# KiCad board oibus-mini-CCC_PANEL.kicad_pcb (continued)
## Placement (name value [footprint] x y rotation side) (continued)
R3#23  1k  [R_0603_1608Metric]  83.25 141.51 270 top
R3#24  1k  [R_0603_1608Metric]  9.25 207.51 270 top
R3#25  1k  [R_0603_1608Metric]  268.25 141.51 270 top
R3#26  1k  [R_0603_1608Metric]  231.25 141.51 270 top
R3#27  1k  [R_0603_1608Metric]  194.25 207.51 270 top
R3#28  1k  [R_0603_1608Metric]  157.25 207.51 270 top
R3#29  1k  [R_0603_1608Metric]  120.25 207.51 270 top
R3#30  1k  [R_0603_1608Metric]  83.25 207.51 270 top
R3#31  1k  [R_0603_1608Metric]  268.25 207.51 270 top
R3#32  1k  [R_0603_1608Metric]  231.25 207.51 270 top
R4  976k  [R_0603_1608Metric]  12.8 18.16 90 top
R4#2  976k  [R_0603_1608Metric]  49.8 18.16 90 top
R4#3  976k  [R_0603_1608Metric]  86.8 18.16 90 top
R4#4  976k  [R_0603_1608Metric]  123.8 18.16 90 top
R4#5  976k  [R_0603_1608Metric]  197.8 18.16 90 top
R4#6  976k  [R_0603_1608Metric]  160.8 18.16 90 top
R4#7  976k  [R_0603_1608Metric]  271.8 18.16 90 top
R4#8  976k  [R_0603_1608Metric]  234.8 18.16 90 top
R4#9  976k  [R_0603_1608Metric]  12.8 84.16 90 top
R4#10  976k  [R_0603_1608Metric]  123.8 84.16 90 top
R4#11  976k  [R_0603_1608Metric]  86.8 84.16 90 top
R4#12  976k  [R_0603_1608Metric]  49.8 84.16 90 top
R4#13  976k  [R_0603_1608Metric]  197.8 84.16 90 top
R4#14  976k  [R_0603_1608Metric]  160.8 84.16 90 top
R4#15  976k  [R_0603_1608Metric]  271.8 84.16 90 top
R4#16  976k  [R_0603_1608Metric]  234.8 84.16 90 top
R4#17  976k  [R_0603_1608Metric]  12.8 150.16 90 top
R4#18  976k  [R_0603_1608Metric]  123.8 150.16 90 top
R4#19  976k  [R_0603_1608Metric]  86.8 150.16 90 top
R4#20  976k  [R_0603_1608Metric]  49.8 150.16 90 top
R4#21  976k  [R_0603_1608Metric]  197.8 150.16 90 top
R4#22  976k  [R_0603_1608Metric]  160.8 150.16 90 top
R4#23  976k  [R_0603_1608Metric]  12.8 216.16 90 top
R4#24  976k  [R_0603_1608Metric]  271.8 150.16 90 top
R4#25  976k  [R_0603_1608Metric]  234.8 150.16 90 top
R4#26  976k  [R_0603_1608Metric]  123.8 216.16 90 top
R4#27  976k  [R_0603_1608Metric]  86.8 216.16 90 top
R4#28  976k  [R_0603_1608Metric]  49.8 216.16 90 top
R4#29  976k  [R_0603_1608Metric]  197.8 216.16 90 top
R4#30  976k  [R_0603_1608Metric]  160.8 216.16 90 top
R4#31  976k  [R_0603_1608Metric]  271.8 216.16 90 top
R4#32  976k  [R_0603_1608Metric]  234.8 216.16 90 top
R5  309k  [R_0603_1608Metric]  12.8 21.66 90 top
R5#2  309k  [R_0603_1608Metric]  49.8 21.66 90 top
R5#3  309k  [R_0603_1608Metric]  86.8 21.66 90 top
R5#4  309k  [R_0603_1608Metric]  123.8 21.66 90 top
R5#5  309k  [R_0603_1608Metric]  197.8 21.66 90 top
R5#6  309k  [R_0603_1608Metric]  160.8 21.66 90 top
R5#7  309k  [R_0603_1608Metric]  271.8 21.66 90 top
R5#8  309k  [R_0603_1608Metric]  234.8 21.66 90 top
R5#9  309k  [R_0603_1608Metric]  12.8 87.66 90 top
R5#10  309k  [R_0603_1608Metric]  123.8 87.66 90 top
R5#11  309k  [R_0603_1608Metric]  86.8 87.66 90 top
R5#12  309k  [R_0603_1608Metric]  49.8 87.66 90 top
R5#13  309k  [R_0603_1608Metric]  197.8 87.66 90 top
R5#14  309k  [R_0603_1608Metric]  160.8 87.66 90 top
R5#15  309k  [R_0603_1608Metric]  271.8 87.66 90 top
R5#16  309k  [R_0603_1608Metric]  234.8 87.66 90 top
R5#17  309k  [R_0603_1608Metric]  12.8 153.66 90 top
R5#18  309k  [R_0603_1608Metric]  123.8 153.66 90 top
R5#19  309k  [R_0603_1608Metric]  86.8 153.66 90 top
R5#20  309k  [R_0603_1608Metric]  49.8 153.66 90 top
R5#21  309k  [R_0603_1608Metric]  197.8 153.66 90 top
R5#22  309k  [R_0603_1608Metric]  160.8 153.66 90 top
R5#23  309k  [R_0603_1608Metric]  12.8 219.66 90 top
R5#24  309k  [R_0603_1608Metric]  271.8 153.66 90 top
R5#25  309k  [R_0603_1608Metric]  234.8 153.66 90 top
R5#26  309k  [R_0603_1608Metric]  123.8 219.66 90 top
R5#27  309k  [R_0603_1608Metric]  86.8 219.66 90 top
R5#28  309k  [R_0603_1608Metric]  49.8 219.66 90 top
R5#29  309k  [R_0603_1608Metric]  197.8 219.66 90 top
R5#30  309k  [R_0603_1608Metric]  160.8 219.66 90 top
R5#31  309k  [R_0603_1608Metric]  271.8 219.66 90 top
R5#32  309k  [R_0603_1608Metric]  234.8 219.66 90 top
R6  309k  [R_0603_1608Metric]  23 6.76 270 top
R6#2  309k  [R_0603_1608Metric]  60 6.76 270 top
R6#3  309k  [R_0603_1608Metric]  97 6.76 270 top
R6#4  309k  [R_0603_1608Metric]  134 6.76 270 top
R6#5  309k  [R_0603_1608Metric]  208 6.76 270 top
R6#6  309k  [R_0603_1608Metric]  171 6.76 270 top
R6#7  309k  [R_0603_1608Metric]  282 6.76 270 top
R6#8  309k  [R_0603_1608Metric]  245 6.76 270 top
R6#9  309k  [R_0603_1608Metric]  23 72.76 270 top
R6#10  309k  [R_0603_1608Metric]  134 72.76 270 top
R6#11  309k  [R_0603_1608Metric]  97 72.76 270 top
R6#12  309k  [R_0603_1608Metric]  60 72.76 270 top
R6#13  309k  [R_0603_1608Metric]  208 72.76 270 top
R6#14  309k  [R_0603_1608Metric]  171 72.76 270 top
R6#15  309k  [R_0603_1608Metric]  282 72.76 270 top
R6#16  309k  [R_0603_1608Metric]  245 72.76 270 top
R6#17  309k  [R_0603_1608Metric]  23 138.76 270 top
R6#18  309k  [R_0603_1608Metric]  134 138.76 270 top
R6#19  309k  [R_0603_1608Metric]  97 138.76 270 top
R6#20  309k  [R_0603_1608Metric]  60 138.76 270 top
R6#21  309k  [R_0603_1608Metric]  208 138.76 270 top
R6#22  309k  [R_0603_1608Metric]  171 138.76 270 top
R6#23  309k  [R_0603_1608Metric]  23 204.76 270 top
R6#24  309k  [R_0603_1608Metric]  282 138.76 270 top
R6#25  309k  [R_0603_1608Metric]  245 138.76 270 top
R6#26  309k  [R_0603_1608Metric]  134 204.76 270 top
R6#27  309k  [R_0603_1608Metric]  97 204.76 270 top
R6#28  309k  [R_0603_1608Metric]  60 204.76 270 top
R6#29  309k  [R_0603_1608Metric]  208 204.76 270 top
R6#30  309k  [R_0603_1608Metric]  171 204.76 270 top
R6#31  309k  [R_0603_1608Metric]  282 204.76 270 top
R6#32  309k  [R_0603_1608Metric]  245 204.76 270 top
R7  976k  [R_0603_1608Metric]  21.75 2.26 180 top
R7#2  976k  [R_0603_1608Metric]  58.75 2.26 180 top
R7#3  976k  [R_0603_1608Metric]  95.75 2.26 180 top
R7#4  976k  [R_0603_1608Metric]  132.75 2.26 180 top
R7#5  976k  [R_0603_1608Metric]  169.75 2.26 180 top
R7#6  976k  [R_0603_1608Metric]  206.75 2.26 180 top
R7#7  976k  [R_0603_1608Metric]  280.75 2.26 180 top
R7#8  976k  [R_0603_1608Metric]  243.75 2.26 180 top
R7#9  976k  [R_0603_1608Metric]  21.75 68.26 180 top
R7#10  976k  [R_0603_1608Metric]  206.75 68.26 180 top
R7#11  976k  [R_0603_1608Metric]  95.75 68.26 180 top
R7#12  976k  [R_0603_1608Metric]  132.75 68.26 180 top
R7#13  976k  [R_0603_1608Metric]  58.75 68.26 180 top
R7#14  976k  [R_0603_1608Metric]  169.75 68.26 180 top
R7#15  976k  [R_0603_1608Metric]  280.75 68.26 180 top
R7#16  976k  [R_0603_1608Metric]  243.75 68.26 180 top
R7#17  976k  [R_0603_1608Metric]  21.75 134.26 180 top
R7#18  976k  [R_0603_1608Metric]  206.75 134.26 180 top
R7#19  976k  [R_0603_1608Metric]  95.75 134.26 180 top
R7#20  976k  [R_0603_1608Metric]  132.75 134.26 180 top
R7#21  976k  [R_0603_1608Metric]  58.75 134.26 180 top
R7#22  976k  [R_0603_1608Metric]  169.75 134.26 180 top
R7#23  976k  [R_0603_1608Metric]  280.75 134.26 180 top
R7#24  976k  [R_0603_1608Metric]  21.75 200.26 180 top
R7#25  976k  [R_0603_1608Metric]  243.75 134.26 180 top
R7#26  976k  [R_0603_1608Metric]  206.75 200.26 180 top
R7#27  976k  [R_0603_1608Metric]  95.75 200.26 180 top
R7#28  976k  [R_0603_1608Metric]  132.75 200.26 180 top
R7#29  976k  [R_0603_1608Metric]  58.75 200.26 180 top
R7#30  976k  [R_0603_1608Metric]  169.75 200.26 180 top
R7#31  976k  [R_0603_1608Metric]  280.75 200.26 180 top
R7#32  976k  [R_0603_1608Metric]  243.75 200.26 180 top
R8  1k  [R_0603_1608Metric]  1.6 54.86 90 top
R8#2  1k  [R_0603_1608Metric]  38.6 54.86 90 top
R8#3  1k  [R_0603_1608Metric]  75.6 54.86 90 top
R8#4  1k  [R_0603_1608Metric]  112.6 54.86 90 top
R8#5  1k  [R_0603_1608Metric]  186.6 54.86 90 top
R8#6  1k  [R_0603_1608Metric]  149.6 54.86 90 top
R8#7  1k  [R_0603_1608Metric]  223.6 54.86 90 top
R8#8  1k  [R_0603_1608Metric]  260.6 54.86 90 top
R8#9  1k  [R_0603_1608Metric]  1.6 120.86 90 top
R8#10  1k  [R_0603_1608Metric]  149.6 120.86 90 top
R8#11  1k  [R_0603_1608Metric]  112.6 120.86 90 top
R8#12  1k  [R_0603_1608Metric]  38.6 120.86 90 top
R8#13  1k  [R_0603_1608Metric]  75.6 120.86 90 top
R8#14  1k  [R_0603_1608Metric]  186.6 120.86 90 top
R8#15  1k  [R_0603_1608Metric]  223.6 120.86 90 top
R8#16  1k  [R_0603_1608Metric]  260.6 120.86 90 top
R8#17  1k  [R_0603_1608Metric]  1.6 186.86 90 top
R8#18  1k  [R_0603_1608Metric]  149.6 186.86 90 top
R8#19  1k  [R_0603_1608Metric]  112.6 186.86 90 top
R8#20  1k  [R_0603_1608Metric]  38.6 186.86 90 top
R8#21  1k  [R_0603_1608Metric]  75.6 186.86 90 top
R8#22  1k  [R_0603_1608Metric]  186.6 186.86 90 top
R8#23  1k  [R_0603_1608Metric]  1.6 252.86 90 top
R8#24  1k  [R_0603_1608Metric]  223.6 186.86 90 top
R8#25  1k  [R_0603_1608Metric]  260.6 186.86 90 top
R8#26  1k  [R_0603_1608Metric]  149.6 252.86 90 top
R8#27  1k  [R_0603_1608Metric]  112.6 252.86 90 top
R8#28  1k  [R_0603_1608Metric]  38.6 252.86 90 top
R8#29  1k  [R_0603_1608Metric]  75.6 252.86 90 top
R8#30  1k  [R_0603_1608Metric]  186.6 252.86 90 top
R8#31  1k  [R_0603_1608Metric]  223.6 252.86 90 top
R8#32  1k  [R_0603_1608Metric]  260.6 252.86 90 top
R9  430R  [R_0603_1608Metric]  34 21.01 270 top
R9#2  430R  [R_0603_1608Metric]  71 21.01 270 top
R9#3  430R  [R_0603_1608Metric]  108 21.01 270 top
R9#4  430R  [R_0603_1608Metric]  145 21.01 270 top
R9#5  430R  [R_0603_1608Metric]  219 21.01 270 top
R9#6  430R  [R_0603_1608Metric]  182 21.01 270 top
R9#7  430R  [R_0603_1608Metric]  256 21.01 270 top
R9#8  430R  [R_0603_1608Metric]  293 21.01 270 top
R9#9  430R  [R_0603_1608Metric]  34 87.01 270 top
R9#10  430R  [R_0603_1608Metric]  182 87.01 270 top
R9#11  430R  [R_0603_1608Metric]  145 87.01 270 top
R9#12  430R  [R_0603_1608Metric]  71 87.01 270 top
R9#13  430R  [R_0603_1608Metric]  108 87.01 270 top
R9#14  430R  [R_0603_1608Metric]  219 87.01 270 top
R9#15  430R  [R_0603_1608Metric]  256 87.01 270 top
R9#16  430R  [R_0603_1608Metric]  293 87.01 270 top
R9#17  430R  [R_0603_1608Metric]  34 153.01 270 top
R9#18  430R  [R_0603_1608Metric]  182 153.01 270 top
R9#19  430R  [R_0603_1608Metric]  145 153.01 270 top
R9#20  430R  [R_0603_1608Metric]  71 153.01 270 top
R9#21  430R  [R_0603_1608Metric]  108 153.01 270 top
R9#22  430R  [R_0603_1608Metric]  219 153.01 270 top
R9#23  430R  [R_0603_1608Metric]  34 219.01 270 top
R9#24  430R  [R_0603_1608Metric]  256 153.01 270 top
R9#25  430R  [R_0603_1608Metric]  293 153.01 270 top
R9#26  430R  [R_0603_1608Metric]  182 219.01 270 top
R9#27  430R  [R_0603_1608Metric]  145 219.01 270 top
R9#28  430R  [R_0603_1608Metric]  71 219.01 270 top
R9#29  430R  [R_0603_1608Metric]  108 219.01 270 top
R9#30  430R  [R_0603_1608Metric]  219 219.01 270 top
R9#31  430R  [R_0603_1608Metric]  256 219.01 270 top
R9#32  430R  [R_0603_1608Metric]  293 219.01 270 top
R10  4.7k  [R_0603_1608Metric]  25.25 27.21 180 top
R10#2  4.7k  [R_0603_1608Metric]  62.25 27.21 180 top
R10#3  4.7k  [R_0603_1608Metric]  136.25 27.21 180 top
R10#4  4.7k  [R_0603_1608Metric]  99.25 27.21 180 top
R10#5  4.7k  [R_0603_1608Metric]  210.25 27.21 180 top
R10#6  4.7k  [R_0603_1608Metric]  173.25 27.21 180 top
R10#7  4.7k  [R_0603_1608Metric]  284.25 27.21 180 top
R10#8  4.7k  [R_0603_1608Metric]  247.25 27.21 180 top
R10#9  4.7k  [R_0603_1608Metric]  62.25 93.21 180 top
R10#10  4.7k  [R_0603_1608Metric]  25.25 93.21 180 top
R10#11  4.7k  [R_0603_1608Metric]  210.25 93.21 180 top
R10#12  4.7k  [R_0603_1608Metric]  173.25 93.21 180 top
R10#13  4.7k  [R_0603_1608Metric]  136.25 93.21 180 top
R10#14  4.7k  [R_0603_1608Metric]  99.25 93.21 180 top
R10#15  4.7k  [R_0603_1608Metric]  284.25 93.21 180 top
R10#16  4.7k  [R_0603_1608Metric]  247.25 93.21 180 top
R10#17  4.7k  [R_0603_1608Metric]  62.25 159.21 180 top
R10#18  4.7k  [R_0603_1608Metric]  25.25 159.21 180 top
R10#19  4.7k  [R_0603_1608Metric]  210.25 159.21 180 top
R10#20  4.7k  [R_0603_1608Metric]  173.25 159.21 180 top
R10#21  4.7k  [R_0603_1608Metric]  136.25 159.21 180 top
R10#22  4.7k  [R_0603_1608Metric]  99.25 159.21 180 top
R10#23  4.7k  [R_0603_1608Metric]  62.25 225.21 180 top
R10#24  4.7k  [R_0603_1608Metric]  25.25 225.21 180 top
R10#25  4.7k  [R_0603_1608Metric]  284.25 159.21 180 top
R10#26  4.7k  [R_0603_1608Metric]  247.25 159.21 180 top
R10#27  4.7k  [R_0603_1608Metric]  210.25 225.21 180 top
R10#28  4.7k  [R_0603_1608Metric]  173.25 225.21 180 top
R10#29  4.7k  [R_0603_1608Metric]  136.25 225.21 180 top
R10#30  4.7k  [R_0603_1608Metric]  99.25 225.21 180 top
R10#31  4.7k  [R_0603_1608Metric]  284.25 225.21 180 top
R10#32  4.7k  [R_0603_1608Metric]  247.25 225.21 180 top
R11  4.7k  [R_0603_1608Metric]  25.25 25.61 180 top
R11#2  4.7k  [R_0603_1608Metric]  62.25 25.61 180 top
R11#3  4.7k  [R_0603_1608Metric]  136.25 25.61 180 top
R11#4  4.7k  [R_0603_1608Metric]  99.25 25.61 180 top
R11#5  4.7k  [R_0603_1608Metric]  210.25 25.61 180 top
R11#6  4.7k  [R_0603_1608Metric]  173.25 25.61 180 top
R11#7  4.7k  [R_0603_1608Metric]  284.25 25.61 180 top
R11#8  4.7k  [R_0603_1608Metric]  247.25 25.61 180 top
R11#9  4.7k  [R_0603_1608Metric]  62.25 91.61 180 top
R11#10  4.7k  [R_0603_1608Metric]  25.25 91.61 180 top
R11#11  4.7k  [R_0603_1608Metric]  210.25 91.61 180 top
R11#12  4.7k  [R_0603_1608Metric]  173.25 91.61 180 top
R11#13  4.7k  [R_0603_1608Metric]  136.25 91.61 180 top
R11#14  4.7k  [R_0603_1608Metric]  99.25 91.61 180 top
R11#15  4.7k  [R_0603_1608Metric]  284.25 91.61 180 top
R11#16  4.7k  [R_0603_1608Metric]  247.25 91.61 180 top
R11#17  4.7k  [R_0603_1608Metric]  62.25 157.61 180 top
R11#18  4.7k  [R_0603_1608Metric]  25.25 157.61 180 top
R11#19  4.7k  [R_0603_1608Metric]  210.25 157.61 180 top
R11#20  4.7k  [R_0603_1608Metric]  173.25 157.61 180 top
R11#21  4.7k  [R_0603_1608Metric]  136.25 157.61 180 top
R11#22  4.7k  [R_0603_1608Metric]  99.25 157.61 180 top
R11#23  4.7k  [R_0603_1608Metric]  62.25 223.61 180 top
R11#24  4.7k  [R_0603_1608Metric]  25.25 223.61 180 top
R11#25  4.7k  [R_0603_1608Metric]  284.25 157.61 180 top
R11#26  4.7k  [R_0603_1608Metric]  247.25 157.61 180 top
R11#27  4.7k  [R_0603_1608Metric]  210.25 223.61 180 top
R11#28  4.7k  [R_0603_1608Metric]  173.25 223.61 180 top
R11#29  4.7k  [R_0603_1608Metric]  136.25 223.61 180 top
R11#30  4.7k  [R_0603_1608Metric]  99.25 223.61 180 top
R11#31  4.7k  [R_0603_1608Metric]  284.25 223.61 180 top
R11#32  4.7k  [R_0603_1608Metric]  247.25 223.61 180 top
R12  4.7k  [R_0603_1608Metric]  8.4 16.21 0 top
R12#2  4.7k  [R_0603_1608Metric]  45.4 16.21 0 top
R12#3  4.7k  [R_0603_1608Metric]  82.4 16.21 0 top
R12#4  4.7k  [R_0603_1608Metric]  119.4 16.21 0 top
R12#5  4.7k  [R_0603_1608Metric]  156.4 16.21 0 top
R12#6  4.7k  [R_0603_1608Metric]  193.4 16.21 0 top
R12#7  4.7k  [R_0603_1608Metric]  267.4 16.21 0 top
R12#8  4.7k  [R_0603_1608Metric]  230.4 16.21 0 top
R12#9  4.7k  [R_0603_1608Metric]  8.4 82.21 0 top
R12#10  4.7k  [R_0603_1608Metric]  193.4 82.21 0 top
R12#11  4.7k  [R_0603_1608Metric]  82.4 82.21 0 top
R12#12  4.7k  [R_0603_1608Metric]  119.4 82.21 0 top
R12#13  4.7k  [R_0603_1608Metric]  45.4 82.21 0 top
R12#14  4.7k  [R_0603_1608Metric]  156.4 82.21 0 top
R12#15  4.7k  [R_0603_1608Metric]  267.4 82.21 0 top
R12#16  4.7k  [R_0603_1608Metric]  230.4 82.21 0 top
R12#17  4.7k  [R_0603_1608Metric]  8.4 148.21 0 top
R12#18  4.7k  [R_0603_1608Metric]  193.4 148.21 0 top
R12#19  4.7k  [R_0603_1608Metric]  82.4 148.21 0 top
R12#20  4.7k  [R_0603_1608Metric]  119.4 148.21 0 top
R12#21  4.7k  [R_0603_1608Metric]  45.4 148.21 0 top
R12#22  4.7k  [R_0603_1608Metric]  156.4 148.21 0 top
R12#23  4.7k  [R_0603_1608Metric]  8.4 214.21 0 top
R12#24  4.7k  [R_0603_1608Metric]  267.4 148.21 0 top
R12#25  4.7k  [R_0603_1608Metric]  230.4 148.21 0 top
R12#26  4.7k  [R_0603_1608Metric]  193.4 214.21 0 top
R12#27  4.7k  [R_0603_1608Metric]  82.4 214.21 0 top
R12#28  4.7k  [R_0603_1608Metric]  119.4 214.21 0 top
R12#29  4.7k  [R_0603_1608Metric]  45.4 214.21 0 top
R12#30  4.7k  [R_0603_1608Metric]  156.4 214.21 0 top
R12#31  4.7k  [R_0603_1608Metric]  267.4 214.21 0 top
R12#32  4.7k  [R_0603_1608Metric]  230.4 214.21 0 top
R13  430R  [R_0603_1608Metric]  11.35 5.51 270 top
R13#2  430R  [R_0603_1608Metric]  48.35 5.51 270 top
R13#3  430R  [R_0603_1608Metric]  85.35 5.51 270 top
R13#4  430R  [R_0603_1608Metric]  122.35 5.51 270 top
R13#5  430R  [R_0603_1608Metric]  159.35 5.51 270 top
R13#6  430R  [R_0603_1608Metric]  196.35 5.51 270 top
R13#7  430R  [R_0603_1608Metric]  270.35 5.51 270 top
R13#8  430R  [R_0603_1608Metric]  233.35 5.51 270 top
R13#9  430R  [R_0603_1608Metric]  11.35 71.51 270 top
R13#10  430R  [R_0603_1608Metric]  196.35 71.51 270 top
R13#11  430R  [R_0603_1608Metric]  85.35 71.51 270 top
R13#12  430R  [R_0603_1608Metric]  122.35 71.51 270 top
R13#13  430R  [R_0603_1608Metric]  48.35 71.51 270 top
R13#14  430R  [R_0603_1608Metric]  159.35 71.51 270 top
R13#15  430R  [R_0603_1608Metric]  270.35 71.51 270 top
R13#16  430R  [R_0603_1608Metric]  233.35 71.51 270 top
R13#17  430R  [R_0603_1608Metric]  11.35 137.51 270 top
R13#18  430R  [R_0603_1608Metric]  196.35 137.51 270 top
R13#19  430R  [R_0603_1608Metric]  85.35 137.51 270 top
R13#20  430R  [R_0603_1608Metric]  122.35 137.51 270 top
R13#21  430R  [R_0603_1608Metric]  48.35 137.51 270 top
R13#22  430R  [R_0603_1608Metric]  159.35 137.51 270 top
R13#23  430R  [R_0603_1608Metric]  11.35 203.51 270 top
R13#24  430R  [R_0603_1608Metric]  270.35 137.51 270 top
R13#25  430R  [R_0603_1608Metric]  233.35 137.51 270 top
R13#26  430R  [R_0603_1608Metric]  196.35 203.51 270 top
R13#27  430R  [R_0603_1608Metric]  85.35 203.51 270 top
R13#28  430R  [R_0603_1608Metric]  122.35 203.51 270 top
R13#29  430R  [R_0603_1608Metric]  48.35 203.51 270 top
R13#30  430R  [R_0603_1608Metric]  159.35 203.51 270 top
R13#31  430R  [R_0603_1608Metric]  270.35 203.51 270 top
R13#32  430R  [R_0603_1608Metric]  233.35 203.51 270 top
R14  1k  [R_0603_1608Metric]  14.5 0.91 0 top
R14#2  1k  [R_0603_1608Metric]  51.5 0.91 0 top
R14#3  1k  [R_0603_1608Metric]  88.5 0.91 0 top
R14#4  1k  [R_0603_1608Metric]  125.5 0.91 0 top
R14#5  1k  [R_0603_1608Metric]  162.5 0.91 0 top
R14#6  1k  [R_0603_1608Metric]  199.5 0.91 0 top
R14#7  1k  [R_0603_1608Metric]  273.5 0.91 0 top
R14#8  1k  [R_0603_1608Metric]  236.5 0.91 0 top
R14#9  1k  [R_0603_1608Metric]  14.5 66.91 0 top
R14#10  1k  [R_0603_1608Metric]  199.5 66.91 0 top
R14#11  1k  [R_0603_1608Metric]  88.5 66.91 0 top
R14#12  1k  [R_0603_1608Metric]  125.5 66.91 0 top
R14#13  1k  [R_0603_1608Metric]  51.5 66.91 0 top
R14#14  1k  [R_0603_1608Metric]  162.5 66.91 0 top
R14#15  1k  [R_0603_1608Metric]  273.5 66.91 0 top
R14#16  1k  [R_0603_1608Metric]  236.5 66.91 0 top
R14#17  1k  [R_0603_1608Metric]  14.5 132.91 0 top
R14#18  1k  [R_0603_1608Metric]  199.5 132.91 0 top
R14#19  1k  [R_0603_1608Metric]  88.5 132.91 0 top
R14#20  1k  [R_0603_1608Metric]  125.5 132.91 0 top
R14#21  1k  [R_0603_1608Metric]  51.5 132.91 0 top
R14#22  1k  [R_0603_1608Metric]  162.5 132.91 0 top
R14#23  1k  [R_0603_1608Metric]  14.5 198.91 0 top
R14#24  1k  [R_0603_1608Metric]  273.5 132.91 0 top
R14#25  1k  [R_0603_1608Metric]  236.5 132.91 0 top
R14#26  1k  [R_0603_1608Metric]  199.5 198.91 0 top
R14#27  1k  [R_0603_1608Metric]  88.5 198.91 0 top
R14#28  1k  [R_0603_1608Metric]  125.5 198.91 0 top
R14#29  1k  [R_0603_1608Metric]  51.5 198.91 0 top
R14#30  1k  [R_0603_1608Metric]  162.5 198.91 0 top
R14#31  1k  [R_0603_1608Metric]  273.5 198.91 0 top
R14#32  1k  [R_0603_1608Metric]  236.5 198.91 0 top
R15  1k  [R_0603_1608Metric]  33 47.21 0 top
R15#2  1k  [R_0603_1608Metric]  70 47.21 0 top
R15#3  1k  [R_0603_1608Metric]  107 47.21 0 top
R15#4  1k  [R_0603_1608Metric]  144 47.21 0 top
R15#5  1k  [R_0603_1608Metric]  181 47.21 0 top
R15#6  1k  [R_0603_1608Metric]  218 47.21 0 top
R15#7  1k  [R_0603_1608Metric]  292 47.21 0 top
R15#8  1k  [R_0603_1608Metric]  255 47.21 0 top
R15#9  1k  [R_0603_1608Metric]  33 113.21 0 top
R15#10  1k  [R_0603_1608Metric]  218 113.21 0 top
R15#11  1k  [R_0603_1608Metric]  107 113.21 0 top
R15#12  1k  [R_0603_1608Metric]  144 113.21 0 top
R15#13  1k  [R_0603_1608Metric]  70 113.21 0 top
R15#14  1k  [R_0603_1608Metric]  181 113.21 0 top
R15#15  1k  [R_0603_1608Metric]  292 113.21 0 top
R15#16  1k  [R_0603_1608Metric]  255 113.21 0 top
R15#17  1k  [R_0603_1608Metric]  33 179.21 0 top
R15#18  1k  [R_0603_1608Metric]  218 179.21 0 top
R15#19  1k  [R_0603_1608Metric]  107 179.21 0 top
R15#20  1k  [R_0603_1608Metric]  144 179.21 0 top
R15#21  1k  [R_0603_1608Metric]  70 179.21 0 top
R15#22  1k  [R_0603_1608Metric]  181 179.21 0 top
R15#23  1k  [R_0603_1608Metric]  292 179.21 0 top
R15#24  1k  [R_0603_1608Metric]  33 245.21 0 top
R15#25  1k  [R_0603_1608Metric]  255 179.21 0 top
R15#26  1k  [R_0603_1608Metric]  218 245.21 0 top
R15#27  1k  [R_0603_1608Metric]  107 245.21 0 top
R15#28  1k  [R_0603_1608Metric]  144 245.21 0 top
R15#29  1k  [R_0603_1608Metric]  70 245.21 0 top
R15#30  1k  [R_0603_1608Metric]  181 245.21 0 top
R15#31  1k  [R_0603_1608Metric]  292 245.21 0 top
R15#32  1k  [R_0603_1608Metric]  255 245.21 0 top
R16  1k  [R_0603_1608Metric]  34.4 55.61 270 top
R16#2  1k  [R_0603_1608Metric]  71.4 55.61 270 top
R16#3  1k  [R_0603_1608Metric]  108.4 55.61 270 top
R16#4  1k  [R_0603_1608Metric]  145.4 55.61 270 top
R16#5  1k  [R_0603_1608Metric]  182.4 55.61 270 top
R16#6  1k  [R_0603_1608Metric]  219.4 55.61 270 top
R16#7  1k  [R_0603_1608Metric]  293.4 55.61 270 top
R16#8  1k  [R_0603_1608Metric]  256.4 55.61 270 top
R16#9  1k  [R_0603_1608Metric]  34.4 121.61 270 top
R16#10  1k  [R_0603_1608Metric]  219.4 121.61 270 top
R16#11  1k  [R_0603_1608Metric]  108.4 121.61 270 top
R16#12  1k  [R_0603_1608Metric]  145.4 121.61 270 top
R16#13  1k  [R_0603_1608Metric]  71.4 121.61 270 top
R16#14  1k  [R_0603_1608Metric]  182.4 121.61 270 top
R16#15  1k  [R_0603_1608Metric]  293.4 121.61 270 top
R16#16  1k  [R_0603_1608Metric]  256.4 121.61 270 top
R16#17  1k  [R_0603_1608Metric]  34.4 187.61 270 top
R16#18  1k  [R_0603_1608Metric]  219.4 187.61 270 top
R16#19  1k  [R_0603_1608Metric]  108.4 187.61 270 top
R16#20  1k  [R_0603_1608Metric]  145.4 187.61 270 top
R16#21  1k  [R_0603_1608Metric]  71.4 187.61 270 top
R16#22  1k  [R_0603_1608Metric]  182.4 187.61 270 top
R16#23  1k  [R_0603_1608Metric]  293.4 187.61 270 top
R16#24  1k  [R_0603_1608Metric]  34.4 253.61 270 top
R16#25  1k  [R_0603_1608Metric]  256.4 187.61 270 top
R16#26  1k  [R_0603_1608Metric]  219.4 253.61 270 top
R16#27  1k  [R_0603_1608Metric]  108.4 253.61 270 top
R16#28  1k  [R_0603_1608Metric]  145.4 253.61 270 top
R16#29  1k  [R_0603_1608Metric]  71.4 253.61 270 top
R16#30  1k  [R_0603_1608Metric]  182.4 253.61 270 top
R16#31  1k  [R_0603_1608Metric]  293.4 253.61 270 top
R16#32  1k  [R_0603_1608Metric]  256.4 253.61 270 top
R17  2k7  [R_0603_1608Metric]  35.9 55.61 270 top
R17#2  2k7  [R_0603_1608Metric]  72.9 55.61 270 top
R17#3  2k7  [R_0603_1608Metric]  109.9 55.61 270 top
R17#4  2k7  [R_0603_1608Metric]  146.9 55.61 270 top
R17#5  2k7  [R_0603_1608Metric]  183.9 55.61 270 top
R17#6  2k7  [R_0603_1608Metric]  220.9 55.61 270 top
R17#7  2k7  [R_0603_1608Metric]  294.9 55.61 270 top
R17#8  2k7  [R_0603_1608Metric]  257.9 55.61 270 top
R17#9  2k7  [R_0603_1608Metric]  35.9 121.61 270 top
R17#10  2k7  [R_0603_1608Metric]  220.9 121.61 270 top
R17#11  2k7  [R_0603_1608Metric]  109.9 121.61 270 top
R17#12  2k7  [R_0603_1608Metric]  146.9 121.61 270 top
R17#13  2k7  [R_0603_1608Metric]  72.9 121.61 270 top
R17#14  2k7  [R_0603_1608Metric]  183.9 121.61 270 top
R17#15  2k7  [R_0603_1608Metric]  294.9 121.61 270 top
R17#16  2k7  [R_0603_1608Metric]  257.9 121.61 270 top
R17#17  2k7  [R_0603_1608Metric]  35.9 187.61 270 top
R17#18  2k7  [R_0603_1608Metric]  220.9 187.61 270 top
R17#19  2k7  [R_0603_1608Metric]  109.9 187.61 270 top
R17#20  2k7  [R_0603_1608Metric]  146.9 187.61 270 top
R17#21  2k7  [R_0603_1608Metric]  72.9 187.61 270 top
R17#22  2k7  [R_0603_1608Metric]  183.9 187.61 270 top
R17#23  2k7  [R_0603_1608Metric]  294.9 187.61 270 top
R17#24  2k7  [R_0603_1608Metric]  35.9 253.61 270 top
R17#25  2k7  [R_0603_1608Metric]  257.9 187.61 270 top
R17#26  2k7  [R_0603_1608Metric]  220.9 253.61 270 top
R17#27  2k7  [R_0603_1608Metric]  109.9 253.61 270 top
R17#28  2k7  [R_0603_1608Metric]  146.9 253.61 270 top
R17#29  2k7  [R_0603_1608Metric]  72.9 253.61 270 top
R17#30  2k7  [R_0603_1608Metric]  183.9 253.61 270 top
R17#31  2k7  [R_0603_1608Metric]  294.9 253.61 270 top
R17#32  2k7  [R_0603_1608Metric]  257.9 253.61 270 top
R18  4.7k  [R_0603_1608Metric]  17.4 30.41 180 top
R18#2  4.7k  [R_0603_1608Metric]  54.4 30.41 180 top
R18#3  4.7k  [R_0603_1608Metric]  91.4 30.41 180 top
R18#4  4.7k  [R_0603_1608Metric]  128.4 30.41 180 top
R18#5  4.7k  [R_0603_1608Metric]  165.4 30.41 180 top
R18#6  4.7k  [R_0603_1608Metric]  202.4 30.41 180 top
R18#7  4.7k  [R_0603_1608Metric]  276.4 30.41 180 top
R18#8  4.7k  [R_0603_1608Metric]  239.4 30.41 180 top
R18#9  4.7k  [R_0603_1608Metric]  17.4 96.41 180 top
R18#10  4.7k  [R_0603_1608Metric]  202.4 96.41 180 top
R18#11  4.7k  [R_0603_1608Metric]  91.4 96.41 180 top
R18#12  4.7k  [R_0603_1608Metric]  128.4 96.41 180 top